# Altium PCB LAY-94611_B.PcbDoc (part 8 of 16) (continued)
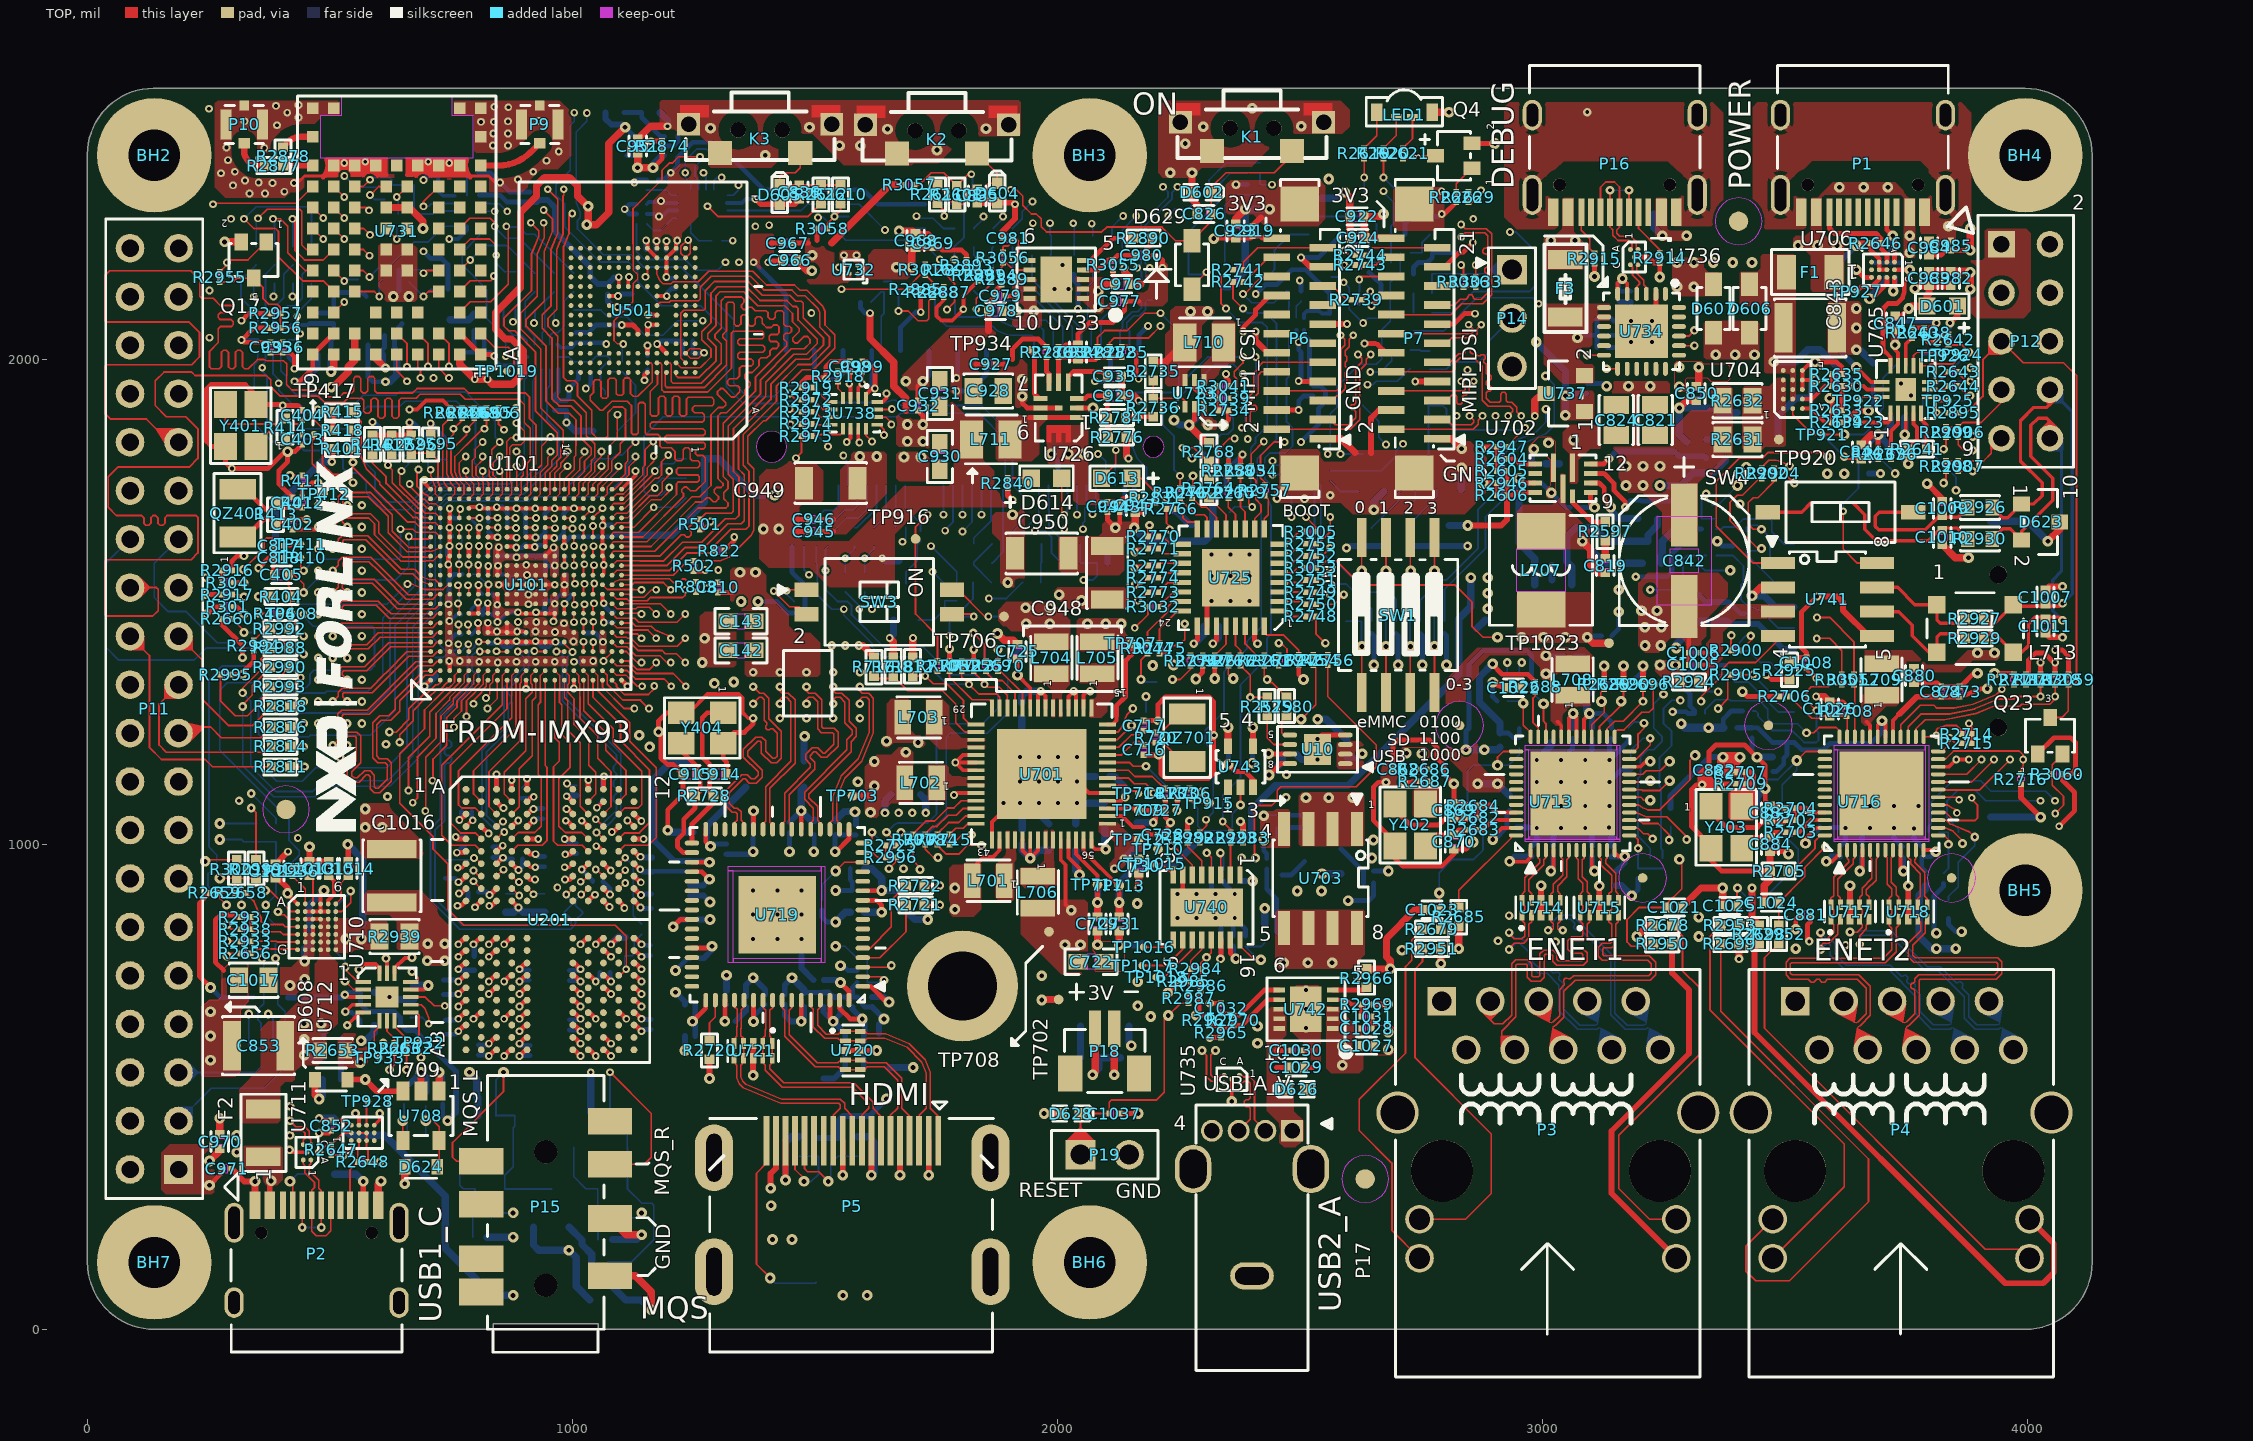
[diagram p0: TOP view]
## Nets (pads, with @x,y where several pads share a name; then routed paths per layer and width w, separated by ;. In a path a pad name is that pad's centre, name@x,y a point inside that pad or via, vN(x,y) a via of type N, cw(c..) or ccw(c..) an arc to the next point about the centre after c; other vN are vias at no path point) (continued)
  TOP w12: C971.2@297.31,331 323.31,305 v2(345.47,305) ; 422.8,955.51 438.32,955.51 447.57,964.76 457.8,964.76 ; v42(457.8,995) 457.8,964.76 ; 497.8,964.76 457.8,964.76 ; R416.2@587.76,1843.2 R417.2@627.76,1843.2 R2596.2@667.76,1843.2 664.26,1846.7 v1(664.26,1870) ; v2(1372.8,523.66) U721.8@1372.8,559.17 U721.3@1372.8,589.49 ; v1(1377.8,2331) 1388.8,2320 D605.2@1427.8,2320 1457.56,2320 1467.8,2330.24 ; v2(1439.5,308) P5.17@1439.5,388.74 ; v2(1557.61,318) P5.11@1557.61,388.74 ; v2(1616.67,318) P5.8@1616.67,388.74 ; v2(1675.72,318) P5.5@1675.72,388.74 ; v2(1734.78,318) P5.2@1734.78,388.74 ; 1835,2322.44 1875.24,2322.44 D604.2@1876,2323.2 1909.6,2323.2 v1(1912.8,2320) 1912.8,2290 1887.3,2264.5 C981.2@1887.29,2250 ; R2784.2@2141,1880.04 v1(2167.8,1880) v1(2167.8,1880) ; C919.2@2402.8,2275.51 2420.29,2293 ; v1(2409.26,2057.85) 2409.26,2038.54 2434.03,2013.77 P6.10@2452.76,2013.77 ; v1(2502.8,2210) 2521.86,2190.94 P6.19@2547.24,2190.94 ; P6.13@2547.24,2072.83 2597.13,2072.83 v1(2597.3,2073) ; 2647.3,1806.5 2646.8,1807 2646.8,1879 2663.46,1895.66 P7.4@2688.98,1895.66 ; v29(2647.8,2110) 2669.68,2131.88 P7.16@2688.98,2131.88 ; C1028.2@2648.31,620 C1031.2@2648.31,645 ; v1(2738.08,1954.72) P7.7@2783.46,1954.72 ; U714.3@2997.8,854.17 U714.8@2997.8,884.49 v2(2997.8,915) ; U715.3@3117.8,854.17 U715.8@3117.8,884.49 v2(3117.8,914.5) ; U717.3@3634.8,845.51 U717.8@3634.8,875.83 v2(3634.8,915) ; U718.3@3754.8,845.51 U718.8@3754.8,875.83 v2(3754.8,914.5) ; 3987.29,1123.98 3987.29,1096.77 v2(4027.8,1056.26)
  TOP w15: v13(251.8,347) 272.8,368 C970.2@272.8,372.24 ; v2(282.8,2242.47) Q17.2@317.3,2242.47 ; P2.B12@345.47,255.71 v2(345.47,305) ; D608.A@469.34,515 469.34,483.46 v2(477.8,475) ; P2.B1@599.41,255.71 599.41,299.61 v2(605.3,305.5) ; U731.H5@616.15,2313.31 U731.H4@659.45,2313.31 663.49,2313.31 691.8,2285 v2(691.8,2270) ; U708.2@687.8,491 v2(687.8,530) ; P15.1@1077.75,110.23 1129.77,110.23 1162.8,77.2 v2(1162.8,40) ; P15.2@1077.75,228.34 1111.13,194.96 v2(1142.8,194.96) ; 1135,2454.76 1161.24,2481 v1(1196,2481) ; C966.2@1462.56,2205 1484.56,2183 v14(1493.8,2183) ; v1(1654.3,1425.5) 1661.76,1418.04 R718.2@1661.76,1385.2 ; v2(1673.8,2265) 1702.56,2265 1707.8,2259.76 ; R812.2@1701.76,1385.2 1701.76,1424.96 v1(1702.3,1425.5) ; 1858.04,2060.24 1858.04,2100 ; C978.2@1887.56,2100 v17(1915.8,2100) ; v2(1972.8,445) D628.2@2007.8,445 ; v2(2117.49,525) P18.2@2117.49,620 ; v2(2127.8,793) 2127.8,821.24 ; v2(2271.8,1865) 2272.8,1864 2272.8,1863 2307.6,1828.2 R2768.2@2312.76,1828.2 ; v23(2277.8,2385) D602.2@2277.8,2345 2277.8,2330 2288.04,2319.76 2288.04,2300 ; 2367.8,2279.76 2367.8,2290 v23(2387.8,2310) ; P6.1@2547.24,1836.61 2585.19,1836.61 2613.8,1808 ; v23(2592.8,2345) 2603.04,2334.76 2603.04,2295 2603.04,2270 2605.04,2268 2605.04,2250.5 ; R2966.2@2637.76,743.2 v2(2686.8,743.2) 2686.8,760 2678.8,768 2678.8,806 2737.8,865 2758.04,865 ; P7.1@2783.46,1836.61 2813.19,1836.61 v2(2833.8,1816) ; v2(2827.76,785.04) 2827.84,785.12 R2685.2@2827.84,831.8 ; v2(2897.8,1334.5) 2902.05,1332.75 2902.26,1332.84 2926.04,1323 ; v29(2984.8,1883.28) 2984.8,1914.8 3000,1930 U737.3@3008.3,1930 ; v2(3195,810) 3217.86,832.86 R2678.2@3229.6,832.86 ; v2(3282.8,1900) 3298.04,1915.24 3317.8,1915.24 ; 3287.56,870 3327.56,910 v2(3372.04,910) 3372.04,873 ; C850.2@3317.8,1944.76 3322.8,1949.76 v17(3322.8,1984) ; v2(3432.5,1512.5) 3450,1530 U741.2@3486.17,1530 ; v10(3432.8,910) 3432.8,848.16 R2698.2@3447.76,833.2 ; 3458.04,880 3458.04,915.24 3469.6,926.8 R2705.2@3469.6,944.96 3469.8,945.16 3469.8,985.24 ; 3657.8,1824.01 3678.79,1845 v2(3692.8,1845) ; v2(3756,2105) 3761,2110 D601.C@3793.5,2110 3793.5,2130.5 3797.8,2134.8 3797.8,2152.24 ; v2(3768.5,2146) 3774.74,2152.24 3797.8,2152.24 ; C983.2@3797.8,2181.76 C982.2@3842.8,2181.76 3843.04,2182 3880.8,2182 v13(3882.8,2180) v13(3882.8,2145) ; 3842.8,2152.24 3797.8,2152.24 ; v2(4042.8,1625) 4067.3,1649.5 D623.3@4067.3,1665
  BOTTOM w3.62: U745.6@782.8,2337.69 782.8,2383.31 R3015.2@784.49,2385 ; 891.25,1525.31 894.64,1528.7 901.95,1528.7 v1(908.55,1535.3)
  BOTTOM w8: v1(317.8,2040) U728.6@351.11,2040 ; v1(746.23,1460.57) 748.23,1460.57 761.91,1474.25 C149.2@770.48,1474.25 ; v1(838.8,2007) 838.8,2001 851.8,1988 878.79,1988 895.79,2005 U729.6@906.11,2005 ; v1(845.54,1418.78) 857.46,1406.86 C151.2@865.32,1406.86 872.99,1406.86 v1(884.91,1418.78) 890.98,1412.71 903.02,1412.71 908.68,1412.71 914.75,1418.78 v1(924.28,1418.78) 936.08,1406.98 C136.2@944.02,1406.98 951.85,1406.98 962.49,1417.62 v1(965.33,1417.62) 968.78,1414.17 982.78,1414.17 ; v1(846.46,1574.6) 846.46,1557.29 C101.2@846.94,1556.81 862.43,1556.81 866.96,1552.28 868.48,1550.76 884.13,1550.76 888,1546.89 893.86,1546.89 905.26,1535.49 908.36,1535.49 v1(908.55,1535.3) ; v1(887.51,1478.74) 889.51,1476.74 905.52,1476.74 922.92,1476.74 v1(924.96,1478.78) ; v1(963.66,1496.13) 963.66,1504.03 C145.2@974.91,1515.28 ; U748.6@1319.23,2322.87 1349.67,2322.87 1357.8,2331 v1(1377.8,2331) ; U724.2@2492.96,2060.75 2492.96,2040.84 v1(2497.8,2036)
  BOTTOM w10: 395.24,1873 395.24,1897.44 v1(402.8,1905) ; C963.2@578.31,2030 C962.2@578.31,2005 578.31,1964 588.31,1954 v10(614.8,1954) ; v2(630.8,2130) 642.29,2141.49 642.29,2160 642.29,2185 ; 637.56,2010 637.56,2020.24 633.31,2024.49 C964.2@633.31,2050 633.31,2058.51 648.8,2074 ; v1(664.26,1870) 670.24,1870 702.04,1838.2 ; 722.8,2400.51 741.58,2400.51 v21(746.07,2405) ; C202.2@734.06,720.04 761.76,720.04 v1(764.8,717) ; C215.2@738.66,608.58 758.78,608.58 v1(764.8,614.6) ; 741.83,1595.66 741.83,1610.51 v1(746.49,1615.17) ; v1(744.41,1495.26) 745.62,1496.47 745.62,1515.37 745.62,1546.99 755.63,1557 C118.2@772.29,1557 ; v1(744.88,1414.7) 744.88,1418.39 759.68,1433.19 C144.2@770.97,1433.19 ; v1(746.49,1653.16) 746.49,1639.29 750.79,1634.99 ; v1(747.12,1692.81) 747.12,1679.55 754.06,1672.61 C148.2@767.9,1672.61 ; v1@759.42,1015.07 777.47,1015.07 ; v1(766.85,1050.08) 771.52,1054.75 C152.2@771.52,1068.26 ; 805.51,2385 830.81,2385 v1(850.8,2365.01) 870.3,2345.51 887.8,2345.51 912.8,2345.51 ; C139.2@805.89,901.78 822.88,901.78 v1(829.02,895.64) ; 806.16,565.58 825.62,565.58 v1(827.8,563.4) ; v1(808.72,1695.39) 818.84,1695.39 827.37,1686.86 827.37,1665.22 ; C956.2@818.31,2060 C957.2@818.31,2015 830.8,2015 v1(838.8,2007) ; 826,1415.05 841.81,1415.05 v1(845.54,1418.78) ; C135.2@835.15,1516.17 845.13,1506.19 v1(845.13,1494.14) 845.13,1483.94 C131.2@835.44,1474.25 845.54,1464.15 v1(845.54,1458.74) 863.22,1476.42 C108.2@866.8,1476.42 869.12,1478.74 v1(887.51,1478.74) ; 836.36,973.24 856.12,973.24 v1(857.02,972.34) 859.51,969.85 C116.2@876.25,969.85 ; v1(844.11,1695.39) 855.58,1695.39 865.58,1685.39 865.58,1652.58 ; v1(846.46,1574.6) 844.76,1576.3 C102.2@844.76,1595.58 ; v1(848.28,1612.89) 844.76,1609.37 C102.2@844.76,1595.58 ; v1(884.87,1692.97) 894.48,1692.97 903.02,1684.43 903.02,1639.62 ; v1(890.8,563.4) 891.89,564.49 912.8,564.49 ; v1(890.8,717) 893.82,720.02 911.14,720.02 ; v1(920.03,1072.91) 921.02,1073.9 939.21,1073.9 ; v1(923.5,952.77) 924.51,953.78 943.14,953.78 ; v1(924.96,1478.78) 940.88,1478.78 942.34,1480.24 ; 943.8,1674.51 943.8,1682.96 953.81,1692.97 v1(963.57,1692.97) ; C106.2@944.27,1554.63 944.27,1573.97 C109.2@944.37,1574.07 ; v1(961.22,1460) 962.58,1461.36 C156.2@962.58,1477 ; v1(961.38,1611.96) 966.1,1607.24 C134.2@966.1,1593.04 963.66,1590.6 v1(963.66,1574.92) ; 962.8,1894.49 987.8,1894.49 v1(987.8,1870) ; C205.2@964.83,1556.65 964.83,1573.75 v1(963.66,1574.92) ; 982.3,1674.51 982.3,1682.97 992.3,1692.97 v1(1003.26,1692.97) ; v1(984.04,1011.34) 993.03,1002.35 1008.79,1002.35 ; 993.88,617.35 1014.05,617.35 v1(1016.8,614.6) ; 994.32,719.14 1014.66,719.14 v1(1016.8,717) ; 1007.8,2055.51 1032.8,2055.51 1048.29,2071 v1(1101.8,2071) ; C212.2@1025.78,1436.23 1047.03,1436.23 1063.09,1420.17 v1(1063.09,1417.61) ; v1(1027.8,1940) 1037.8,1950 R2960.2@1037.8,1974.49 ; 1061.96,1113.23 1061.96,1137.08 v1(1065.12,1140.24) ; v1(1062.43,1657.82) 1063.21,1658.6 1081.28,1658.6 ; C117.2@1062.99,923.5 1077.41,909.08 v1(1077.41,896.89) ; v1(1064.79,1497.23) 1064.79,1493.56 1079.4,1478.95 1084.53,1478.95 ; C507.2@1077.68,736.23 1077.68,719.12 v1(1079.8,717) ; v1(1093.13,2108.12) 1096.01,2105.24 C501.2@1122.8,2105.24 ; v1(1127.8,2365) 1133.31,2370.51 R3026.1@1152.8,2370.51 ; C1047.2@1132.29,2300 1117.8,2300 v1(1107.8,2310) 1117.8,2320 C1044.2@1132.29,2320 ; v1(1141.4,895.82) 1143.16,897.58 C206.2@1163.75,897.58 ; v1(1142.8,614.6) 1146.17,617.97 1162.27,617.97 ; v1(1142.8,768.2) 1145.62,771.02 1160.84,771.02 ; v1(1148.66,1957) 1148.66,1971.6 C504.2@1155.12,1978.06 ; C209.2@1151.54,2226.12 1151.54,2244.56 v1(1152.18,2245.2) ; v1(1156.02,2092.96) 1156.99,2091.99 1173.85,2091.99 ; C201.2@1164.57,943.37 1165.69,944.49 1242.8,944.49 ; v1(1174.88,2032.03) 1181.25,2038.4 C509.2@1227.25,2038.4 C509.2@1227.25,2038.4 C508.2@1227.2,2012.59 ; U730.2@1189.86,2440 1208,2440 1218,2450 1218,2463.36 K3.2@1239.7,2485.06 ; C506.2@1193.17,2225.81 1193.17,2243.28 v1(1194.08,2244.19) ; v1(1194.68,2130.52) 1194.68,2136.12 1204.97,2146.41 1212.85,2146.41 ; v2(1212.8,740) 1237.8,765 C907.2@1242.29,765 ; v2(1372.8,985) 1372.8,1014.49 ; v1(1373.8,2200.5) 1440.32,2133.98 P8.75@1440.32,2018.34 ; C908.2@1477.8,694.76 C901.2@1517.8,694.76 ; v2(1497.8,985) 1498.8,986 C898.2@1498.8,1020.24 ; P8.69@1499.37,2018.34 1499.37,1970.01 1509.38,1960 v1(1522.8,1960) 1546.79,1960 1558.43,1971.64 P8.63@1558.43,2018.34 ; R2724.2@1515,864.49 1515,850 1525,840 v2(1542.8,840) ; v2(1542.8,905) C888.2@1577.29,905 1577.29,922.72 1573.04,926.97 1573.04,950 ; 1552.8,685.51 1577.8,685.51 ; C916.2@1587.29,715 1577.8,705.51 1577.8,685.51 ; P8.57@1617.48,2018.34 1617.48,1946.32 v1(1623.8,1940) ; R2727.2@1617.8,664.49 1603.31,664.49 1597.8,670 1597.8,675.51 1587.8,685.51 1577.8,685.51 ; P8.51@1676.54,2018.34 1676.54,2065.74 1708.31,2097.51 v1(1718.31,2097.51) ; v2(1722.8,1955) 1735.59,1967.79 P8.45@1735.59,2018.34 ; v1(1791.8,1935) 1819.8,1935 1853.7,1968.9 P8.33@1853.7,2018.34 ; v1(1791.8,1961.85) 1794.65,1964.7 P8.39@1794.65,2018.34 ; v2(1987.8,1805) 2001.34,1791.46 P8.18@2001.34,1740 ; v1(2077.8,1955) 2095.8,1955 2109.61,1968.81 P8.7@2109.61,2018.34 ; P8.1@2168.66,2018.34 2168.66,2050.86 v1(2186.8,2069) ; R2981.1@2317.8,924.49 2317.8,906.74 v8(2326.54,898) ; v8(2326.54,848) 2337.8,836.74 2337.8,810.51 ; R2980.1@2342.8,924.49 2342.8,921.11 v8(2365.91,898) ; v2(2352.8,1165.5) 2352.8,1194.49 ; 2362.8,810.51 2362.8,844.89 v8(2365.91,848) 2387.8,826.11 2387.8,810.51 ; v30(2368.31,2360.51) R3019.2@2392.8,2360.51 ; v1(2497.8,1895.66) 2497.8,1915 2507.29,1924.49 2527.8,1924.49 ; v1(2497.8,1955.51) 2502.8,1960.51 2502.8,2014.99 2497.8,2019.99 v1(2497.8,2036) ; v1(2502.8,2210) 2537.8,2210 2586.33,2258.53 Q2.2@2607.3,2258.53 2607.3,2238.69 2615,2230.99 R2628.2@2615,2215.51 ; 2561.8,2073.47 2596.83,2073.47 v1(2597.3,2073) ; R2624.2@2642.8,2179.49 2657.29,2165 2657.8,2165 2667.8,2155 2667.8,2130 v29(2647.8,2110) ; Q3.2@2717.3,2257.53 2717.3,2280 2732.3,2295 2787.8,2295 v29(2792.8,2300) ; R403.2@2734.6,2176.54 2734.6,2190 2744.6,2200 2763.3,2200 2773.31,2210.01 2773.31,2220 2835.8,2220 v29(2856.8,2241) ; v2(2897.8,1334.5) 2897.8,1304.49 2907.29,1295 ; C833.2@2998.31,1745 2998.8,1745 v2(3018.8,1725) 3048.8,1695 C834.2@3057.29,1695 ; v8(3038.8,1174) 3062.8,1198 3062.8,1218.74 ; C867.2@3067.31,1389 3086.8,1389 ; v8(3088.8,1174) 3102.8,1188 3102.8,1218.74 ; C1001.2@3134.06,2025 3153.8,2025 ; C996.2@3134.06,2050 3153.8,2050 ; v8(3138.8,1129) 3164.29,1154.49 R2694.2@3182.8,1154.49 ; 3142.56,2085 3147.91,2079.65 v8(3183.15,2079.65) 3183.15,2119.14 3182.8,2119.49 3157.8,2119.49 ; 3142.8,1218.74 3138.8,1214.74 v8(3138.8,1174) 3177.8,1213 R2693.2@3177.8,1219.49 ; C831.2@3143.31,1430 3157.8,1444.49 v2(3157.8,1480) ; v10(3269,1273.5) 3296.51,1273.5 3300.01,1270 3314.49,1270 3314.49,1275.51 3305,1285 3305,1309.99 3293.31,1321.68 3293.31,1340 3293.31,1343.31 3320.24,1370.24 3350,1370.24 3351,1369.24 D616.2@3378.59,1369.24 ; v2(3360.93,1625) 3370.69,1615.24 D617.2@3393.59,1615.24 ; 3378.43,1500 3384.99,1500 3409.48,1475.51 3418.43,1475.51 ; 3432.8,1219.49 3432.8,1190 v2(3442.8,1180) ; C878.2@3593.31,1035 3624.8,1035 v8(3625.8,1034) 3625.8,1007.26 3614.8,996.26 ; 3659.8,996.26 3659.8,1018 v8(3675.8,1034) ; 3673.31,1815 3673.31,1825.51 v2(3692.8,1845) ; v2(3675,2125) 3675,2130 3707.29,2162.29 C848.2@3707.29,2170 ; v8(3725.8,1034) 3725.8,1012.51 3742.8,995.51 ; v8(3767,1033) 3767,1011.31 3782.8,995.51 ; C102.2@844.76,1595.58 845.36,1594.98 865.93,1594.98 879.89,1594.98 882.06,1592.81 884.15,1592.81 v1(885.02,1591.94) 888.98,1595.9 920.71,1595.9 924.19,1592.42 927.64,1595.87 942.18,1595.87 944.37,1593.68 C109.2@944.37,1574.07 ; 942.34,1480.24 942.34,1501.99 C124.2@942.81,1502.46 957.33,1502.46 v1(963.66,1496.13) 963.66,1478.08 C156.2@962.58,1477 ; 942.34,1480.24 954.52,1480.24 957.76,1477 C156.2@962.58,1477 ; C109.2@944.37,1574.07 962.81,1574.07 v1(963.66,1574.92)
  BOTTOM w12: 652.84,503.2 661,503.2 v2(687.8,530) ; v1(796.3,793.8) 797.8,792.3 C207.2@797.8,769.76 ; 1072.8,2134.49 1072.8,2120.13 1084.81,2108.12 v1(1093.13,2108.12) ; v1(1139.91,948.54) 1145.08,943.37 C201.2@1164.57,943.37 ; v2(1212.8,695) 1232.29,675.51 C892.2@1232.29,670 ; v2(1232.29,575) C895.2@1232.29,605 ; C900.2@1258.31,845 v2(1283.8,845) ; 1317.8,979.49 1367.29,979.49 v2(1372.8,985) ; 1336.27,635.27 1357.8,656.8 C890.2@1357.8,665.24 ; 1357.8,686.26 1357.8,710 v2(1372.8,725) 1397.8,700 1397.8,690.51 ; 1437.8,690.51 1437.8,710 v2(1452.8,725) ; v8(1472.8,805) 1472.8,744.49 C893.2@1497.29,720 ; C901.2@1517.8,694.76 1528.03,694.76 1537.28,685.51 1552.8,685.51 ; v2(1582.8,1067) 1584.8,1065 1584.8,1040.51 ; R2727.2@1617.8,664.49 1618.31,664.49 v2(1642.8,640) 1632.56,629.76 1632.56,610 ; C863.2@2948.31,1035 2987.8,1035 v8(2988.8,1034) 2988.8,1007.26 2977.8,996.26 ; 3022.8,996.26 3022.8,1018 v8(3038.8,1034) ; v8(3088.8,1034) 3102.8,1020 3102.8,996.26 ; v8(3137.8,1035) 3142.8,1030 3142.8,996.26 ; C986.2@3323.43,1514 3337.43,1500 3378.43,1500
  BOTTOM w15: v1(426.8,1955) 444.57,1955 473.04,1983.47 473.04,2010 ; C1018.2@457.8,824.76 457.8,875 v42(487.8,905) ; v2(477.8,475) 484.6,481.8 R2654.2@484.6,515.04 ; 592.56,695 612.8,695 v8(622.8,685) 627.56,680.24 C856.1@672.8,680.24 ; v10(614.8,1954) 623.56,1954 637.56,1968 637.56,2010 ; v2(687.8,530) 697.8,520 C851.2@697.8,489.76 ; v1(695.28,1326.17) 696.86,1326.17 717.83,1347.14 ; C954.2@747.8,2082 787,2082 TP1032.1@800,2095 ; v2(787.8,530) 802.6,515.2 D620.2@802.6,480 804.6,478 R2913.2@804.6,440.04 ; 862.84,860.2 879.27,860.2 v1(888.76,869.69) 898.25,860.2 942.84,860.2 ; v1(987.8,1870) 1005.27,1852.53 Q18.2@1042.3,1852.53 ; D621.1@993.8,210.5 1020,184.3 1020,174.8 1039.8,155 1039.8,114 1056.8,97 1073.3,97 D618.1@1109.8,60.5 1142.3,60.5 v2(1162.8,40) ; v1(1037.8,530) D619.2@1037.8,485 1037.8,446.84 R2911.2@1039.6,445.04 ; v1(1079.8,793.8) 1094.2,808.2 1107.84,808.2 ; 1082.56,185 1132.84,185 v2(1142.8,194.96) ; R2876.2@1181,2508.96 1196,2493.96 v1(1196,2481) ; v2(1196.8,1029) 1200.8,1025 1248.04,1025 ; C889.2@1317.8,699.01 v2(1317.8,730) ; v2(1439.5,308) 1439.5,385 1451.3,396.8 1467.8,396.8 ; v2(1452.8,725) 1477.8,700 C908.2@1477.8,694.76 ; v2(1542.8,840) 1562.8,860 1573.04,860 ; C903.2@1542.8,1049.76 1560.81,1067.77 1582.03,1067.77 v2(1582.8,1067) ; 1587.8,396.8 1611,396.8 1621.62,386.18 1621.62,322.95 v2(1616.67,318) ; v10(1644.8,1065) 1644.8,1090 C707.2@1657.8,1103 ; v1(1654.3,1425.5) 1662.3,1433.5 Q8.2@1662.3,1462.53 ; C708.2@1717.8,1103 1728.8,1092 v10(1728.8,1065) ; v8(1922.8,1085) 1927.8,1080 C704.2@1927.8,1029.76 ; 1926.8,1240.81 C724.1@1926.8,1262.24 ; v8(1962.17,1085) 1962.17,1062.63 C726.2@1982.8,1042 ; C709.1@2037.8,1042 2037.8,1081.89 v8(2040.91,1085) 2095.8,1085 C713.1@2097.8,1087 ; v8(2040.91,1130) 2050.91,1140 2078.04,1140 ; v2(2127.8,793) 2173,793 TP1066.1@2175,795 ; v2(2240.8,1875) 2241.8,1875 2251.8,1865 v2(2271.8,1865) 2272.8,1865 2288.04,1880.24 2288.04,1900 ; v10(2281.43,1414) 2282.43,1414 2303.04,1434.61 2303.04,1450 ; 2345.27,2149.5 2354.31,2149.5 2387.8,2182.99 v23(2387.8,2310) v23(2437.8,2310) ; 2493.56,1185 2503.56,1175 v8(2536.8,1175) ; Q5.2@2543.3,2332.47 2580.27,2332.47 v23(2592.8,2345) ; v2(2545.8,939.5) 2585.27,939.5 ; v2(2652.8,1690) 2652.8,1706.97 Q15.2@2673.3,1727.47 ; Q9.2@2833.3,1732.47 2833.3,1776.13 v2(2833.8,1776.63) ; TP1043.1@2865,1445 2882.34,1462.34 ; v8(2988.8,1174) 3017.8,1203 C857.2@3017.8,1210.24 ; C825.2@3007.56,1785 3035.8,1785 ; v2(3141.3,1695) 3142.8,1693.5 3142.8,1686.8 3157.8,1671.8 3197.76,1671.8 ; C832.2@3297.8,1829.76 3282.8,1844.76 v2(3282.8,1900) 3352.8,1900 3362.3,1890.5 U707.3@3402.8,1890.5 ; v2(3432.5,1512.5) 3457.5,1512.5 3480.67,1489.33 P13.6@3519.41,1489.33 ; 3442.8,1075.12 3442.8,1097.8 v2(3460,1115) ; v2(3442.8,1180) 3443.04,1180.24 C871.2@3475,1180.24 ; D603.A@3486.26,1835 3486.26,1883.46 3523.3,1920.5 3555.33,1920.5 3555.33,1950.22 v2(3562.8,1957.69) ; v2(3647.8,2020) 3654.83,2020 Q7.2@3682.3,1992.53 ; 3713.04,1815 3713.04,1824.76 v2(3692.8,1845) 3703.04,1845 3718.04,1860 3718.04,1880 ; P13.12@3924.93,1056.26 v2(4027.8,1056.26) ; P13.11@3924.93,1666.5 4001.3,1666.5 v2(4042.8,1625)
  other v1: 969,911 846.15,1375.32 808.04,1376.51 884.91,1376.61 924.28,1376.61 963.65,1376.61 767.8,1378.01 1042.92,1378.23 2392.8,1836.15 2823.8,1883.78 713.8,1962 2845.8,1978 1343.8,2200.5 1560,2215 1586,2215 295.8,2290 919.3,2387 946.8,2410
  other v2: 1412.8,185 1452.8,185 562.8,550 253.8,555 2682.8,577 253.8,605 2682.8,613 253.8,655 2494.8,904 2544.8,904 2648.8,972 2651.8,1009 2196.8,1369 2239.8,1370 3212.3,1410 3244.3,1410 3211.8,1448 3245.8,1448 3204.8,1482 3236.8,1482 2887.8,1486 2049.8,1503 2003.8,1515 2887.8,1518 3157.8,1525 1897.8,1540 2887.8,1550 1345.8,1561 1377.8,1561 1907.8,1680 3587.8,1764.5 3622.8,1764.5 3420.8,1778 1683.8,1799 1718.8,1799 1592.8,1800 1627.8,1800 2022.8,1805 2054.8,1805 3013,1828 1687.8,1955 3647.8,2065 3647.8,2105 662.8,2130 3837.8,2275 1397.8,2421 1751.8,2432 1551,2441 1594,2441 2264,2445 1650,2475 1853,2476 1285,2477 1489,2479 2301,2480 2503,2481 2402,2518
  other v8: 2512.8,621.26 2512.8,660.63 2512.8,700 1372.8,805 1422.8,805 2247.8,848 2287.17,848 1372.8,855 1422.8,855 1472.8,855 2287.17,898 1372.8,905 1422.8,905 1472.8,905 2988.8,1079 3038.8,1079 3088.8,1079 3138.8,1079 3625.8,1079 3675.8,1079 3725.8,1079 3775.8,1079 2001.54,1085 2988.8,1129 3038.8,1129 3088.8,1129 1922.8,1130 1962.17,1130 2001.54,1130 1922.8,1180 1962.17,1180 2001.54,1180 2040.91,1180 2357.17,1502.26 2396.54,1502.26 2317.8,1553.73 2357.17,1553.73 2396.54,1553.73 2317.8,1598 2357.17,1598 2396.54,1598 3760.3,1925.5 3739.8,1950.5 3183.15,2036.35 3226.45,2036.35 1994.3,2145.5 2022.8,2145.5 2010.3,2195
  other v10: 417.8,460 3625.8,792.24 3027.3,799 2908.8,801 2931.8,853 312.8,1090 1427.8,1260 1482.8,1260 1537.8,1260 1592.8,1260 1372.8,1355 1427.8,1355 1482.8,1355 1537.8,1355 1592.8,1355 475.8,1429.45 565.8,1429.45 475.8,1474.45 565.8,1474.45 475.8,1519.45 565.8,1519.45 475.8,1564.45 565.8,1564.45 475.8,1609.45 565.8,1609.45 565.8,1654.45 475.8,1699.45 565.8,1699.45 2510,1712.5 2452.8,1713 2562.8,1720 3887.8,1841 3882.8,1983
  other v21: 304,2387 529.54,2405 572.85,2407.6 702.77,2407.6 290,2411 364.8,2436 287,2437 836,2441 867,2441 837,2466 867,2466 391,2483 811.8,2490 838,2490 323.8,2491 867,2491 930.8,2492 435,2499 412,2509 868,2520 839,2521 389,2523 435,2525
  other v23: 3177.8,1945 3222.8,1945 3352.8,2200 3392.8,2200 3432.8,2200 2232.8,2385
  other v24: 334,2342 366,2342 406,2346 300,2359 381.8,2364 353,2365 325,2369 887.8,2371 971.8,2429 250.8,2517
  other v29: 2903.8,1883.78 2857.8,2290 2792.8,2347
  other v30: 475.8,1339.45 565.8,1339.45 475.8,1384.45 565.8,1384.45 3092.8,2510
  other v33: 520.8,1179.45 475.8,1249.45 565.8,1249.45 475.8,1294.45 565.8,1294.45
  other v37: 572.8,1035 607.8,1035 572.8,1073
  other v50: 615.8,1206.45
  other v56: 275.5,2384
GND_CHASSIS1: C1048.2 P3.SH1 P3.SH2 R3042.2
GND_CHASSIS2: C1049.2 P4.SH1 P4.SH2 R3043.2
GPIO_IO02: R2667.2 R2668.1 U101.K20 | length 2306.5
  TOP w3.2: U101.K20@884.91,1712.66 894.66,1722.41 894.66,1756.86 898.8,1761 898.8,1796.21 v3(885.01,1810)
  ART03 w3.09: v11(372.8,650) 331.8,691 331.8,776 414.8,859 414.8,870 392.8,892 392.8,904 334.8,962 334.8,1022 464.8,1152 464.8,1204 492.8,1232 571.8,1232 617.8,1278 617.8,1353.74 638.8,1374.74 638.8,1499.88 591.68,1547 437.8,1547 427.8,1557 427.8,1600 414.3,1613.5 414.3,1692.5 435.8,1714 435.8,1766 486.8,1817 702.8,1817 769.8,1750 852.81,1750 865.62,1762.81 865.62,1781.82 885.01,1801.21 v3(885.01,1810)
  BOTTOM w3.62: v11(372.8,650) 382.8,640 382.8,590 394,578.8 407.76,578.8
GPIO_IO03: R2671.2 R2672.1 U101.K21 | length 2295
  TOP w3.2: U101.K21@884.91,1732.34 884.91,1779.9 v3(885.01,1780)
  ART03 w3.09: v11(332.8,650) 352.8,630 376.8,630 390.8,644 390.8,666 342.2,714.6 342.2,771.69 442.4,871.89 442.4,897.4 415.3,924.5 387.01,924.5 345.2,966.31 345.2,1017.69 475.2,1147.69 475.2,1199.69 497.11,1221.6 576.11,1221.6 628.8,1274.29 628.8,1349.18 649.8,1370.18 649.8,1504.44 572.64,1581.6 462.49,1581.6 424.8,1619.29 424.8,1688.29 446.2,1709.69 446.2,1760 492.8,1806.6 696.86,1806.6 763.46,1740 856.8,1740 884.97,1768.17 v3(885.01,1780)
  BOTTOM w3.62: v11(332.8,650) 332.8,585 339,578.8 357.76,578.8
GPIO_IO08: R2810.2 R2811.1 U101.M20 | length 2090
  TOP w3.2: U101.M20@924.28,1712.66 934.04,1722.42 934.04,1767.24 948.8,1782 948.8,1797.99 955.01,1804.2 v3(955.01,1810)
  TOP w3.62: R2811.1@417.8,1160 v11(447.8,1160)
  ART03 w3.09: v11(447.8,1160) 431.8,1144 291.47,1144 282.3,1153.17 282.3,1573.61 259.6,1596.31 259.6,1881.81 270,1892.21 270,1937.2 287.8,1955 363.8,1955 392.8,1926 426.8,1926 456.8,1956 456.8,1959 491.3,1993.5 600.3,1993.5 607.8,2001 759.8,2001 772.8,1988 772.8,1953 787.8,1938 825.8,1938 857.2,1969.4 909.4,1969.4 951.8,1927 951.8,1878.21 972.8,1857.21 972.8,1827.79 v3(955.01,1810)
  BOTTOM w3.62: R2810.2@415.8,1160 v11(447.8,1160)
GPIO_IO09: R2813.2 R2814.1 U101.M21 | length 2161.5
  TOP w3.2: U101.M21@924.28,1732.34 924.28,1770.48 936.8,1783 936.8,1821.79 v3(955.01,1840)
  TOP w3.62: R2814.1@417.8,1202 445.25,1202 v11(445.8,1201.45)
  ART03 w3.09: v11(445.8,1201.45) 431.89,1201.45 428.8,1198.36 428.8,1158.09 425.71,1155 296.89,1155 293.8,1158.09 293.8,1362 299.8,1368 331.8,1368 339.8,1376 339.8,1455 342.8,1458 357.8,1458 372.8,1473 372.8,1576 356.8,1592 356.8,1814 403.8,1861 441.81,1861 460.81,1880 487.71,1880 490.8,1883.09 490.8,1911 500.8,1921 511.8,1921 521.8,1931 521.8,1970 525.8,1974 532.11,1974 535.73,1970.38 535.73,1931.62 539.35,1928 544.47,1928 548.09,1931.62 548.09,1970.38 551.71,1974 556.83,1974 560.45,1970.38 560.45,1931.62 564.07,1928 569.19,1928 572.81,1931.62 572.81,1970.38 576.43,1974 591.71,1974 594.8,1970.91 594.8,1939 600,1933.8 691.88,1933.8 698.88,1926.8 707.54,1926.8 711.16,1930.42 711.16,1940.38 714.78,1944 719.9,1944 723.52,1940.38 723.52,1930.42 727.14,1926.8 732.26,1926.8 735.88,1930.42 735.88,1940.38 739.5,1944 744.62,1944 748.24,1940.38 748.24,1930.42 751.86,1926.8 829.18,1926.8 861.38,1959 904.79,1959 940.8,1922.99 940.8,1854.21 v3(955.01,1840)
  BOTTOM w3.62: R2813.2@415.8,1202 445.25,1202 v11(445.8,1201.45)